# Altium PCB BreakOutBoard_Cyclone.PcbDoc (part 3 of 7)
Units mm, origin at the board's own origin, x right, y up, seen from the top; angles counter-clockwise.
Board outline 360 x 235.6 mm, 2 copper layers (Top Layer, Bottom Layer); 147 components, 203 nets, 2829 pads, 104 vias.
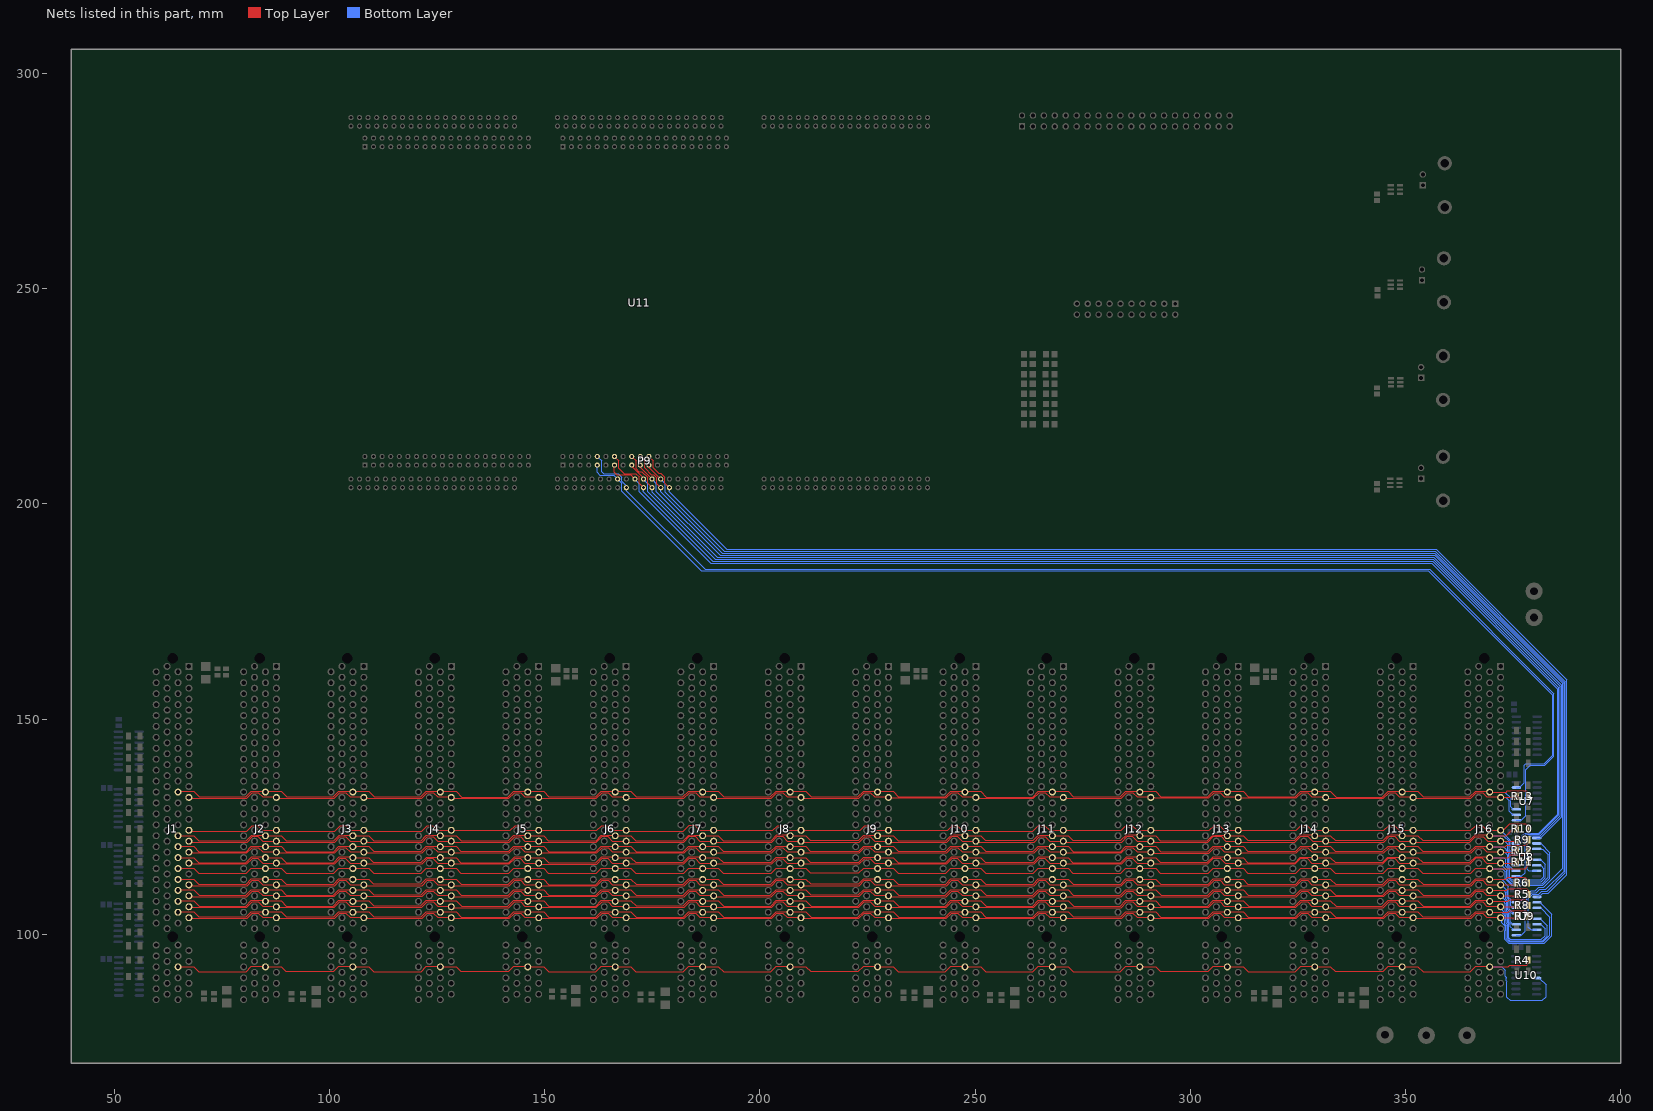
[diagram p3: the nets of this part, all layers, seen from the top]

## Via types
v1: diameter 0.6, hole 0.3, Top Layer to Bottom Layer, 53 vias
v2: diameter 1.27, hole 0.711, Top Layer to Bottom Layer, 36 vias
v3: diameter 5.5, hole 4.5, Top Layer to Bottom Layer, 15 vias

## Nets (pads, with @x,y where several pads share a name; then routed paths per layer and width w, separated by ;. In a path a pad name is that pad's centre, name@x,y a point inside that pad or via, vN(x,y) a via of type N, cw(c..) or ccw(c..) an arc to the next point about the centre after c; other vN are vias at no path point) (continued)
BUS3_P: J1.54 J2.54 J3.54 J4.54 J5.54 J6.54 J7.54 J8.54 J9.54 J10.54 J11.54 J12.54 J13.54 J14.54 J15.54 J16.54 R4.2 U10.5 | length 353.3
  Top Layer w0.15: J1.54@64.77,92.472 68.428,92.472 69.63,91.27 80.57,91.27 81.83,92.53 J2.54@85.032,92.53 ; J2.54@85.09,92.472 88.748,92.472 89.863,91.357 100.977,91.357 102.15,92.53 J3.54@105.352,92.53 ; J3.54@105.41,92.472 109.068,92.472 110.234,91.306 121.246,91.306 122.47,92.53 J4.54@125.672,92.53 ; J4.54@125.73,92.472 129.388,92.472 130.503,91.357 141.617,91.357 142.79,92.53 J5.54@145.992,92.53 ; J5.54@146.05,92.472 149.708,92.472 150.92,91.26 161.84,91.26 163.11,92.53 J6.54@166.312,92.53 ; J6.54@166.37,92.472 170.028,92.472 171.194,91.306 182.206,91.306 183.43,92.53 J7.54@186.632,92.53 ; J7.54@186.69,92.472 190.348,92.472 191.54,91.28 202.5,91.28 203.75,92.53 J8.54@206.952,92.53 ; J8.54@207.01,92.472 210.668,92.472 211.783,91.357 222.897,91.357 224.07,92.53 J9.54@227.272,92.53 ; J9.54@227.33,92.472 230.988,92.472 232.2,91.26 243.12,91.26 244.39,92.53 J10.54@247.592,92.53 ; J10.54@247.65,92.472 251.308,92.472 252.53,91.25 263.43,91.25 264.71,92.53 J11.54@267.912,92.53 ; J11.54@267.97,92.472 271.628,92.472 272.82,91.28 283.78,91.28 285.03,92.53 J12.54@288.232,92.53 ; J12.54@288.29,92.472 291.948,92.472 293.07,91.35 304.17,91.35 305.35,92.53 J13.54@308.552,92.53 ; J13.54@308.61,92.472 312.268,92.472 313.48,91.26 324.4,91.26 325.67,92.53 J14.54@328.872,92.53 ; J14.54@328.93,92.472 332.588,92.472 333.71,91.35 344.81,91.35 345.99,92.53 J15.54@349.192,92.53 ; J15.54@349.25,92.472 352.908,92.472 354.1,91.28 365.06,91.28 366.31,92.53 J16.54@369.512,92.53 ; J16.54@369.57,92.392 373.893,92.392 374.3,92.8 378.2,92.8 R4.2@378.6,93.2
  Bottom Layer w0.15: J16.54@369.57,92.392 372.408,92.392 373.145,91.655 373.145,90.255 373.377,90.023 373.377,89.817 373.43,89.764 373.43,89.15 373.6,88.98 373.6,85.35 374.35,84.6 381.85,84.6 382.7,85.45 382.7,88.21 U10.5@381.12,89.79
BUS4: P9.20 U9.9 U11.1B25 | length 304.4
  Top Layer w0.15: P9.20@172.2,211 173.2,210 173.2,208.34 174.78,206.76 175.28,206.76 176,206.04 176,204.7 U11.1B25@176.95,203.75
  Bottom Layer w0.15: U11.1B25@176.92,203.75 176.92,202.78 191.2,188.5 356.85,188.5 386.89,158.46 386.89,114.64 382.65,110.4 381.21,110.4 380.46,109.65 379.32,109.65 378.15,108.48 378.15,107.55 377.84,107.24 377.84,100.66 376.935,99.755 U9.9@375.7,99.755
BUS4_N: J1.43 J2.43 J3.43 J4.43 J5.43 J6.43 J7.43 J8.43 J9.43 J10.43 J11.43 J12.43 J13.43 J14.43 J15.43 J16.43 R5.1 U9.10 | length 328.9
  Top Layer w0.15: J1.43@67.506,108.806 67.562,108.75 80.779,108.75 82.032,110.003 83.436,110.003 84.437,109.002 J2.43@87.63,109.002 ; J2.43@87.826,108.806 87.852,108.78 101.129,108.78 102.352,110.003 103.756,110.003 104.757,109.002 J3.43@107.95,109.002 ; J3.43@108.146,108.806 121.475,108.806 122.672,110.003 124.076,110.003 125.077,109.002 J4.43@128.27,109.002 ; J4.43@128.466,108.806 128.532,108.74 141.729,108.74 142.992,110.003 144.396,110.003 145.397,109.002 J5.43@148.59,109.002 ; J5.43@148.786,108.806 148.812,108.78 162.089,108.78 163.312,110.003 164.716,110.003 165.717,109.002 J6.43@168.91,109.002 ; J6.43@169.106,108.806 169.172,108.74 182.369,108.74 183.632,110.003 185.036,110.003 186.037,109.002 J7.43@189.23,109.002 ; J7.43@189.426,108.806 189.512,108.72 202.669,108.72 203.952,110.003 205.356,110.003 206.357,109.002 J8.43@209.55,109.002 ; J8.43@209.746,108.806 223.075,108.806 224.272,110.003 225.676,110.003 226.677,109.002 J9.43@229.87,109.002 ; J9.43@230.066,108.806 230.122,108.75 243.339,108.75 244.592,110.003 245.996,110.003 246.997,109.002 J10.43@250.19,109.002 ; J10.43@250.386,108.806 250.452,108.74 263.649,108.74 264.912,110.003 266.316,110.003 267.317,109.002 J11.43@270.51,109.002 ; J11.43@270.706,108.806 270.762,108.75 283.979,108.75 285.232,110.003 286.636,110.003 287.637,109.002 J12.43@290.83,109.002 ; J12.43@291.026,108.806 291.122,108.71 304.259,108.71 305.552,110.003 306.956,110.003 307.957,109.002 J13.43@311.15,109.002 ; J13.43@311.346,108.806 311.422,108.73 324.599,108.73 325.872,110.003 327.276,110.003 328.277,109.002 J14.43@331.47,109.002 ; J14.43@331.666,108.806 331.702,108.77 344.959,108.77 346.192,110.003 347.596,110.003 348.597,109.002 J15.43@351.79,109.002 ; J15.43@351.986,108.806 352.042,108.75 365.259,108.75 366.512,110.003 367.916,110.003 368.917,109.002 J16.43@372.11,109.002 ; J16.43@372.11,108.902 375.303,108.902 R5.1@375.7,109.3
  Bottom Layer w0.15: J16.43@372.11,108.902 373.53,107.483 373.53,105.37 374.024,104.876 374.024,104.645 374.045,104.624 374.045,102.731 374.231,102.545 374.35,102.426 374.35,101.75 374.9,101.2 U9.10@374.9,101.1
BUS4_P: J1.42 J2.42 J3.42 J4.42 J5.42 J6.42 J7.42 J8.42 J9.42 J10.42 J11.42 J12.42 J13.42 J14.42 J15.42 J16.42 R5.2 U9.11 | length 340.7
  Top Layer w0.15: J1.42@64.77,110.272 68.428,110.272 69.65,109.05 80.55,109.05 81.83,110.33 J2.42@85.032,110.33 ; J2.42@85.09,110.272 88.748,110.272 89.94,109.08 100.9,109.08 102.15,110.33 J3.42@105.352,110.33 ; J3.42@105.41,110.272 109.068,110.272 110.203,109.137 121.277,109.137 122.47,110.33 J4.42@125.672,110.33 ; J4.42@125.73,110.272 129.388,110.272 130.62,109.04 141.5,109.04 142.79,110.33 J5.42@145.992,110.33 ; J5.42@146.05,110.272 149.708,110.272 150.9,109.08 161.86,109.08 163.11,110.33 J6.42@166.312,110.33 ; J6.42@166.37,110.272 170.028,110.272 171.26,109.04 182.14,109.04 183.43,110.33 J7.42@186.632,110.33 ; J7.42@186.69,110.272 190.348,110.272 191.6,109.02 202.44,109.02 203.75,110.33 J8.42@206.952,110.33 ; J8.42@207.01,110.272 210.668,110.272 211.803,109.137 222.877,109.137 224.07,110.33 J9.42@227.272,110.33 ; J9.42@227.33,110.272 230.988,110.272 232.21,109.05 243.11,109.05 244.39,110.33 J10.42@247.592,110.33 ; J10.42@247.65,110.272 251.308,110.272 252.54,109.04 263.42,109.04 264.71,110.33 J11.42@267.912,110.33 ; J11.42@267.97,110.272 271.628,110.272 272.85,109.05 283.75,109.05 285.03,110.33 J12.42@288.232,110.33 ; J12.42@288.29,110.272 291.948,110.272 293.21,109.01 304.03,109.01 305.35,110.33 J13.42@308.552,110.33 ; J13.42@308.61,110.272 312.268,110.272 313.51,109.03 324.37,109.03 325.67,110.33 J14.42@328.872,110.33 ; J14.42@328.93,110.272 332.588,110.272 333.79,109.07 344.73,109.07 345.99,110.33 J15.42@349.192,110.33 ; J15.42@349.25,110.272 352.908,110.272 354.13,109.05 365.03,109.05 366.31,110.33 J16.42@369.512,110.33 ; J16.42@369.57,110.172 373.572,110.172 373.9,110.5 378.2,110.5 R5.2@378.7,110
  Bottom Layer w0.15: J16.42@369.57,110.172 372.819,110.172 373.32,109.672 373.32,108.18 373.83,107.67 373.83,105.62 374.345,105.105 374.345,102.897 374.8,102.442 U9.11@374.8,102.4
BUS5: P9.19 U9.15 U11.1B24 | length 293.9
  Top Layer w0.15: P9.19@172.2,209 172.2,208.5 U11.1B24@174.95,205.75
  Bottom Layer w0.15: U11.1B24@174.94,205.72 175.95,204.71 175.95,202.84 190.74,188.05 356.8,188.05 386.59,158.26 386.59,115.28 382.16,110.85 381,110.85 380.2,110.05 379.2,110.05 376.525,107.375 U9.15@375.7,107.375
BUS5_N: J1.40 J2.40 J3.40 J4.40 J5.40 J6.40 J7.40 J8.40 J9.40 J10.40 J11.40 J12.40 J13.40 J14.40 J15.40 J16.40 R6.1 U9.14 | length 338.9
  Top Layer w0.15: J1.40@64.77,112.772 68.428,112.772 69.6,111.6 80.6,111.6 81.83,112.83 J2.40@85.032,112.83 ; J2.40@85.09,112.772 88.748,112.772 89.88,111.64 100.96,111.64 102.15,112.83 J3.40@105.352,112.83 ; J3.40@105.41,112.772 109.068,112.772 110.163,111.677 121.317,111.677 122.47,112.83 J4.40@125.672,112.83 ; J4.40@125.73,112.772 129.388,112.772 130.59,111.57 141.53,111.57 142.79,112.83 J5.40@145.992,112.83 ; J5.40@146.05,112.772 149.708,112.772 150.94,111.54 161.82,111.54 163.11,112.83 J6.40@166.312,112.83 ; J6.40@166.37,112.772 170.028,112.772 171.21,111.59 182.19,111.59 183.43,112.83 J7.40@186.632,112.83 ; J7.40@186.69,112.772 190.348,112.772 191.48,111.64 202.56,111.64 203.75,112.83 J8.40@206.952,112.83 ; J8.40@207.01,112.772 210.668,112.772 211.763,111.677 222.917,111.677 224.07,112.83 J9.40@227.272,112.83 ; J9.40@227.33,112.772 230.988,112.772 232.19,111.57 243.13,111.57 244.39,112.83 J10.40@247.592,112.83 ; J10.40@247.65,112.772 251.308,112.772 252.49,111.59 263.47,111.59 264.71,112.83 J11.40@267.912,112.83 ; J11.40@267.97,112.772 271.628,112.772 272.81,111.59 283.79,111.59 285.03,112.83 J12.40@288.232,112.83 ; J12.40@288.29,112.772 291.948,112.772 293.11,111.61 304.13,111.61 305.35,112.83 J13.40@308.552,112.83 ; J13.40@308.61,112.772 312.268,112.772 313.41,111.63 324.47,111.63 325.67,112.83 J14.40@328.872,112.83 ; J14.40@328.93,112.772 332.588,112.772 333.76,111.6 344.76,111.6 345.99,112.83 J15.40@349.192,112.83 ; J15.40@349.25,112.772 352.908,112.772 354.11,111.57 365.05,111.57 366.31,112.83 J16.40@369.512,112.83 ; J16.40@369.57,112.712 373.312,112.712 373.8,113.2 377.9,113.2 R6.1@378.7,112.4
  Bottom Layer w0.15: J16.40@369.57,112.712 372.398,112.712 373.94,111.17 373.94,108.56 374.44,108.06 374.44,106.56 U9.14@374.9,106.1
BUS5_P: J1.41 J2.41 J3.41 J4.41 J5.41 J6.41 J7.41 J8.41 J9.41 J10.41 J11.41 J12.41 J13.41 J14.41 J15.41 J16.41 R6.2 U9.13 | length 331.6
  Top Layer w0.15: J1.41@67.31,111.502 67.512,111.3 80.829,111.3 82.032,112.503 83.436,112.503 84.437,111.502 87.63,111.502 87.826,111.306 101.155,111.306 102.352,112.503 103.756,112.503 104.757,111.502 107.95,111.502 108.146,111.306 121.475,111.306 122.672,112.503 124.076,112.503 125.077,111.502 128.27,111.502 128.502,111.27 141.759,111.27 142.992,112.503 144.396,112.503 145.397,111.502 148.59,111.502 148.852,111.24 162.049,111.24 163.312,112.503 164.716,112.503 165.717,111.502 168.91,111.502 169.122,111.29 182.419,111.29 183.632,112.503 185.036,112.503 186.037,111.502 189.23,111.502 189.426,111.306 202.755,111.306 203.952,112.503 205.356,112.503 206.357,111.502 209.55,111.502 209.746,111.306 223.075,111.306 224.272,112.503 225.676,112.503 226.677,111.502 229.87,111.502 230.102,111.27 243.359,111.27 244.592,112.503 245.996,112.503 246.997,111.502 250.19,111.502 250.402,111.29 263.699,111.29 264.912,112.503 266.316,112.503 267.317,111.502 270.51,111.502 270.722,111.29 284.019,111.29 285.232,112.503 286.636,112.503 287.637,111.502 290.83,111.502 291.026,111.306 304.355,111.306 305.552,112.503 306.956,112.503 307.957,111.502 311.15,111.502 311.346,111.306 324.675,111.306 325.872,112.503 327.276,112.503 328.277,111.502 331.47,111.502 331.672,111.3 344.989,111.3 346.192,112.503 347.596,112.503 348.597,111.502 351.79,111.502 352.022,111.27 365.279,111.27 366.512,112.503 367.916,112.503 368.917,111.502 J16.41@372.11,111.502 ; J16.41@372.11,111.442 375.443,111.442 R6.2@375.7,111.7
  Bottom Layer w0.15: J16.41@372.11,111.442 372.324,111.442 373.64,110.127 373.64,108.406 374.14,107.906 374.14,105.838 375.1,104.878 U9.13@375.1,104.8
BUS6: P9.22 U9.1 U11.1B27 | length 291.6
  Top Layer w0.15: P9.22@174.2,211 175.2,210 175.2,208.41 176.51,207.1 177,207.1 177.9,206.2 177.9,204.8 U11.1B27@178.95,203.75
  Bottom Layer w0.15: U11.1B27@178.9,203.73 178.9,202.79 192.24,189.45 357.15,189.45 387.49,159.11 387.49,113.79 383.24,109.54 381.93,109.54 381.035,108.645 U9.1@380.5,108.645
BUS6_N: J1.47 J2.47 J3.47 J4.47 J5.47 J6.47 J7.47 J8.47 J9.47 J10.47 J11.47 J12.47 J13.47 J14.47 J15.47 J16.47 R7.1 U9.2 | length 346.2
  Top Layer w0.15: J1.47@67.506,103.706 67.522,103.69 80.819,103.69 82.032,104.903 83.436,104.903 84.437,103.902 J2.47@87.63,103.902 ; J2.47@87.826,103.706 101.155,103.706 102.352,104.903 103.756,104.903 104.757,103.902 J3.47@107.95,103.902 ; J3.47@108.146,103.706 121.475,103.706 122.672,104.903 124.076,104.903 125.077,103.902 J4.47@128.27,103.902 ; J4.47@128.466,103.706 128.502,103.67 141.759,103.67 142.992,104.903 144.396,104.903 145.397,103.902 J5.47@148.59,103.902 ; J5.47@148.786,103.706 148.832,103.66 162.069,103.66 163.312,104.903 164.716,104.903 165.717,103.902 J6.47@168.91,103.902 ; J6.47@169.106,103.706 169.152,103.66 182.389,103.66 183.632,104.903 185.036,104.903 186.037,103.902 J7.47@189.23,103.902 ; J7.47@189.426,103.706 189.472,103.66 202.709,103.66 203.952,104.903 205.356,104.903 206.357,103.902 J8.47@209.55,103.902 ; J8.47@209.746,103.706 209.812,103.64 223.009,103.64 224.272,104.903 225.676,104.903 226.677,103.902 J9.47@229.87,103.902 ; J9.47@230.066,103.706 230.122,103.65 243.339,103.65 244.592,104.903 245.996,104.903 246.997,103.902 J10.47@250.19,103.902 ; J10.47@250.386,103.706 250.442,103.65 263.659,103.65 264.912,104.903 266.316,104.903 267.317,103.902 J11.47@270.51,103.902 ; J11.47@270.706,103.706 270.712,103.7 284.029,103.7 285.232,104.903 286.636,104.903 287.637,103.902 J12.47@290.83,103.902 ; J12.47@291.026,103.706 291.062,103.67 304.319,103.67 305.552,104.903 306.956,104.903 307.957,103.902 J13.47@311.15,103.902 ; J13.47@311.346,103.706 311.412,103.64 324.609,103.64 325.872,104.903 327.276,104.903 328.277,103.902 J14.47@331.47,103.902 ; J14.47@331.666,103.706 331.702,103.67 344.959,103.67 346.192,104.903 347.596,104.903 348.597,103.902 J15.47@351.79,103.902 ; J15.47@351.986,103.706 365.315,103.706 366.512,104.903 367.916,104.903 368.917,103.902 J16.47@372.11,103.902 ; J16.47@372.11,103.822 375.523,103.822 R7.1@375.84,104.14 R7.1@375.9,104.2
  Bottom Layer w0.15: J16.47@372.11,103.822 372.11,103.1 372.35,102.86 372.35,102.65 373.145,101.855 373.145,100.854 373.111,100.819 373.111,98.815 373.123,98.803 373.123,98.777 373.977,97.923 382.273,97.923 384,99.65 384,104.62 U9.2@381.23,107.39
BUS6_P: J1.46 J2.46 J3.46 J4.46 J5.46 J6.46 J7.46 J8.46 J9.46 J10.46 J11.46 J12.46 J13.46 J14.46 J15.46 J16.46 R7.2 U9.3 | length 356.4
  Top Layer w0.15: J1.46@64.77,105.172 68.428,105.172 69.61,103.99 80.59,103.99 81.83,105.23 J2.46@85.032,105.23 ; J2.46@85.09,105.172 88.748,105.172 89.91,104.01 100.93,104.01 102.15,105.23 J3.46@105.352,105.23 ; J3.46@105.41,105.172 109.068,105.172 110.23,104.01 121.25,104.01 122.47,105.23 J4.46@125.672,105.23 ; J4.46@125.73,105.172 129.388,105.172 130.59,103.97 141.53,103.97 142.79,105.23 J5.46@145.992,105.23 ; J5.46@146.05,105.172 149.708,105.172 150.92,103.96 161.84,103.96 163.11,105.23 J6.46@166.312,105.23 ; J6.46@166.37,105.172 170.028,105.172 171.24,103.96 182.16,103.96 183.43,105.23 J7.46@186.632,105.23 ; J7.46@186.69,105.172 190.348,105.172 191.56,103.96 202.48,103.96 203.75,105.23 J8.46@206.952,105.23 ; J8.46@207.01,105.172 210.668,105.172 211.9,103.94 222.78,103.94 224.07,105.23 J9.46@227.272,105.23 ; J9.46@227.33,105.172 230.988,105.172 232.21,103.95 243.11,103.95 244.39,105.23 J10.46@247.592,105.23 ; J10.46@247.65,105.172 251.308,105.172 252.53,103.95 263.43,103.95 264.71,105.23 J11.46@267.912,105.23 ; J11.46@267.97,105.172 271.628,105.172 272.8,104 283.8,104 285.03,105.23 J12.46@288.232,105.23 ; J12.46@288.29,105.172 291.948,105.172 293.15,103.97 304.09,103.97 305.35,105.23 J13.46@308.552,105.23 ; J13.46@308.61,105.172 312.268,105.172 313.5,103.94 324.38,103.94 325.67,105.23 J14.46@328.872,105.23 ; J14.46@328.93,105.172 332.588,105.172 333.79,103.97 344.73,103.97 345.99,105.23 J15.46@349.192,105.23 ; J15.46@349.25,105.172 352.908,105.172 354.07,104.01 365.09,104.01 366.31,105.23 J16.46@369.512,105.23 ; J16.46@369.57,105.093 373.893,105.093 374.2,105.4 378,105.4 R7.2@378.6,104.8
  Bottom Layer w0.15: J16.46@369.57,105.093 372.408,105.093 373.124,104.376 373.124,104.272 373.145,104.251 373.145,103.394 373.093,103.342 373.093,102.41 373.1,102.403 373.1,102.35 373.445,102.005 373.445,98.905 374.127,98.223 382.073,98.223 383.55,99.7 383.55,103.95 U9.3@381.4,106.1
BUS7: P9.21 U9.7 U11.1B26 | length 299.6
  Top Layer w0.15: P9.21@174.2,209 174.2,208.5 U11.1B26@176.95,205.75
  Bottom Layer w0.15: U11.1B26@176.92,205.73 177.98,204.67 177.98,202.72 191.75,188.95 356.95,188.95 387.19,158.71 387.19,114.24 382.94,109.99 381.63,109.99 380.95,109.31 379.62,109.31 378.6,108.29 378.6,101.65 379.225,101.025 U9.7@380.5,101.025
BUS7_N: J1.44 J2.44 J3.44 J4.44 J5.44 J6.44 J7.44 J8.44 J9.44 J10.44 J11.44 J12.44 J13.44 J14.44 J15.44 J16.44 R8.1 U9.6 | length 353.6
  Top Layer w0.15: J1.44@64.77,107.772 68.428,107.772 69.7,106.5 80.5,106.5 81.83,107.83 J2.44@85.032,107.83 ; J2.44@85.09,107.772 88.748,107.772 89.98,106.54 100.86,106.54 102.15,107.83 J3.44@105.352,107.83 ; J3.44@105.41,107.772 109.068,107.772 110.26,106.58 121.22,106.58 122.47,107.83 J4.44@125.672,107.83 ; J4.44@125.73,107.772 129.388,107.772 130.67,106.49 141.45,106.49 142.79,107.83 J5.44@145.992,107.83 ; J5.44@146.05,107.772 149.708,107.772 150.97,106.51 161.79,106.51 163.11,107.83 J6.44@166.312,107.83 ; J6.44@166.37,107.772 170.028,107.772 171.24,106.56 182.16,106.56 183.43,107.83 J7.44@186.632,107.83 ; J7.44@186.69,107.772 190.348,107.772 191.58,106.54 202.46,106.54 203.75,107.83 J8.44@206.952,107.83 ; J8.44@207.01,107.772 210.668,107.772 211.92,106.52 222.76,106.52 224.07,107.83 J9.44@227.272,107.83 ; J9.44@227.33,107.772 230.988,107.772 232.24,106.52 243.08,106.52 244.39,107.83 J10.44@247.592,107.83 ; J10.44@247.65,107.772 251.308,107.772 252.56,106.52 263.4,106.52 264.71,107.83 J11.44@267.912,107.83 ; J11.44@267.97,107.772 271.628,107.772 272.92,106.48 283.68,106.48 285.03,107.83 J12.44@288.232,107.83 ; J12.44@288.29,107.772 291.948,107.772 293.18,106.54 304.06,106.54 305.35,107.83 J13.44@308.552,107.83 ; J13.44@308.61,107.772 312.268,107.772 313.54,106.5 324.34,106.5 325.67,107.83 J14.44@328.872,107.83 ; J14.44@328.93,107.772 332.588,107.772 333.89,106.47 344.63,106.47 345.99,107.83 J15.44@349.192,107.83 ; J15.44@349.25,107.772 352.908,107.772 354.18,106.5 364.98,106.5 366.31,107.83 J16.44@369.512,107.83 ; J16.44@369.57,107.632 373.733,107.632 374.1,108 377.9,108 R8.1@378.7,107.2
  Bottom Layer w0.15: J16.44@369.57,107.632 369.602,107.6 372.684,107.6 373.192,107.092 373.192,105.198 373.724,104.666 373.724,104.521 373.745,104.5 373.745,102.605 ; 373.746,102.606 374.05,102.301 374.05,99.149 374.376,98.823 381.623,98.823 382.45,99.65 382.45,101.25 U9.6@381.4,102.3
BUS7_P: J1.45 J2.45 J3.45 J4.45 J5.45 J6.45 J7.45 J8.45 J9.45 J10.45 J11.45 J12.45 J13.45 J14.45 J15.45 J16.45 R8.2 U9.5 | length 342.9
  Top Layer w0.15: J1.45@67.506,106.306 67.612,106.2 80.729,106.2 82.032,107.503 83.436,107.503 84.437,106.502 J2.45@87.63,106.502 ; J2.45@87.826,106.306 87.892,106.24 101.089,106.24 102.352,107.503 103.756,107.503 104.757,106.502 J3.45@107.95,106.502 ; J3.45@108.146,106.306 108.172,106.28 121.449,106.28 122.672,107.503 124.076,107.503 125.077,106.502 J4.45@128.27,106.502 ; J4.45@128.466,106.306 128.582,106.19 141.679,106.19 142.992,107.503 144.396,107.503 145.397,106.502 J5.45@148.59,106.502 ; J5.45@148.786,106.306 148.882,106.21 162.019,106.21 163.312,107.503 164.716,107.503 165.717,106.502 J6.45@168.91,106.502 ; J6.45@169.106,106.306 169.152,106.26 182.389,106.26 183.632,107.503 185.036,107.503 186.037,106.502 J7.45@189.23,106.502 ; J7.45@189.426,106.306 189.492,106.24 202.689,106.24 203.952,107.503 205.356,107.503 206.357,106.502 J8.45@209.55,106.502 ; J8.45@209.746,106.306 209.832,106.22 222.989,106.22 224.272,107.503 225.676,107.503 226.677,106.502 J9.45@229.87,106.502 ; J9.45@230.066,106.306 230.152,106.22 243.309,106.22 244.592,107.503 245.996,107.503 246.997,106.502 J10.45@250.19,106.502 ; J10.45@250.386,106.306 250.472,106.22 263.629,106.22 264.912,107.503 266.316,107.503 267.317,106.502 J11.45@270.51,106.502 ; J11.45@270.706,106.306 270.832,106.18 283.909,106.18 285.232,107.503 286.636,107.503 287.637,106.502 J12.45@290.83,106.502 ; J12.45@291.026,106.306 291.092,106.24 304.289,106.24 305.552,107.503 306.956,107.503 307.957,106.502 J13.45@311.15,106.502 ; J13.45@311.346,106.306 311.452,106.2 324.569,106.2 325.872,107.503 327.276,107.503 328.277,106.502 J14.45@331.47,106.502 ; J14.45@331.666,106.306 331.802,106.17 344.859,106.17 346.192,107.503 347.596,107.503 348.597,106.502 J15.45@351.79,106.502 ; J15.45@351.986,106.306 352.092,106.2 365.209,106.2 366.512,107.503 367.916,107.503 368.917,106.502 J16.45@372.11,106.502 ; J16.45@372.11,106.362 375.563,106.362 R8.2@375.8,106.6
  Bottom Layer w0.15: J16.45@372.11,106.362 372.11,105.848 373.424,104.534 373.424,104.396 373.445,104.375 373.445,103.27 373.393,103.218 373.393,102.534 373.4,102.527 373.4,102.5 373.75,102.15 373.75,99.024 374.251,98.523 381.923,98.523 382.95,99.55 382.95,101.95 U9.5@381.4,103.5
BUS8: P9.14 U8.9 U11.1B21 | length 294.7
  Top Layer w0.15: P9.14@166.2,211 167.2,210 167.2,208.28 168.44,207.04 171.16,207.04 171.9,206.3 171.9,204.8 U11.1B21@172.95,203.75
  Bottom Layer w0.15: U11.1B21@172.93,203.74 172.93,202.77 189.05,186.65 356.3,186.65 385.69,157.26 385.69,127.764 381.096,123.17 378.078,123.17 377.8,122.892 377.8,114.3 376.955,113.455 U8.9@375.7,113.455
BUS8_N: J1.34 J2.34 J3.34 J4.34 J5.34 J6.34 J7.34 J8.34 J9.34 J10.34 J11.34 J12.34 J13.34 J14.34 J15.34 J16.34 R9.1 U8.10 | length 337.8
  Top Layer w0.15: J1.34@64.77,120.372 68.428,120.372 69.63,119.17 80.57,119.17 81.83,120.43 J2.34@85.032,120.43 ; J2.34@85.09,120.372 88.748,120.372 89.92,119.2 100.92,119.2 102.15,120.43 J3.34@105.352,120.43 ; J3.34@105.41,120.372 109.068,120.372 110.2,119.24 121.28,119.24 122.47,120.43 J4.34@125.672,120.43 ; J4.34@125.73,120.372 129.388,120.372 130.52,119.24 141.6,119.24 142.79,120.43 J5.34@145.992,120.43 ; J5.34@146.05,120.372 149.708,120.372 150.89,119.19 161.87,119.19 163.11,120.43 J6.34@166.312,120.43 ; J6.34@166.37,120.372 170.028,120.372 171.23,119.17 182.17,119.17 183.43,120.43 J7.34@186.632,120.43 ; J7.34@186.69,120.372 190.348,120.372 191.48,119.24 202.56,119.24 203.75,120.43 J8.34@206.952,120.43 ; J8.34@207.01,120.372 210.668,120.372 211.743,119.297 222.937,119.297 224.07,120.43 J9.34@227.272,120.43 ; J9.34@227.33,120.372 230.988,120.372 232.12,119.24 243.2,119.24 244.39,120.43 J10.34@247.592,120.43 ; J10.34@247.65,120.372 251.308,120.372 252.45,119.23 263.51,119.23 264.71,120.43 J11.34@267.912,120.43 ; J11.34@267.97,120.372 271.628,120.372 272.81,119.19 283.79,119.19 285.03,120.43 J12.34@288.232,120.43 ; J12.34@288.29,120.372 291.948,120.372 293.16,119.16 304.08,119.16 305.35,120.43 J13.34@308.552,120.43 ; J13.34@308.61,120.372 312.268,120.372 313.41,119.23 324.47,119.23 325.67,120.43 J14.34@328.872,120.43 ; J14.34@328.93,120.372 332.588,120.372 333.73,119.23 344.79,119.23 345.99,120.43 J15.34@349.192,120.43 ; J15.34@349.25,120.372 352.908,120.372 354.07,119.21 365.09,119.21 366.31,120.43 J16.34@369.512,120.43 ; J16.34@369.57,120.332 373.232,120.332 373.6,120.7 378,120.7 R9.1@378.6,121.3
  Bottom Layer w0.15: J16.34@369.57,120.332 372.768,120.332 373.392,119.708 373.392,119.448 374.07,118.77 374.07,116 375,115.07 U8.10@375,114.8
BUS8_P: J1.33 J2.33 J3.33 J4.33 J5.33 J6.33 J7.33 J8.33 J9.33 J10.33 J11.33 J12.33 J13.33 J14.33 J15.33 J16.33 R9.2 U8.11 | length 327.7
  Top Layer w0.15: J1.33@67.506,121.406 80.806,121.406 82.1,122.7 83.339,122.7 84.437,121.602 J2.33@87.63,121.602 ; J2.33@87.826,121.406 101.155,121.406 102.409,122.66 103.699,122.66 104.757,121.602 J3.33@107.95,121.602 ; J3.33@108.146,121.406 121.475,121.406 122.699,122.63 122.754,122.63 122.761,122.638 123.619,122.638 123.626,122.63 124.049,122.63 125.077,121.602 J4.33@128.27,121.602 ; J4.33@128.466,121.406 128.472,121.4 141.789,121.4 143.019,122.63 143.074,122.63 143.081,122.638 143.939,122.638 143.946,122.63 144.369,122.63 145.397,121.602 J5.33@148.59,121.602 ; J5.33@148.786,121.406 162.01,121.406 163.304,122.7 164.619,122.7 165.717,121.602 J6.33@168.91,121.602 ; J6.33@169.106,121.406 182.289,121.406 183.583,122.7 184.939,122.7 186.037,121.602 J7.33@189.23,121.602 ; J7.33@189.426,121.406 202.755,121.406 204.049,122.7 205.259,122.7 206.357,121.602 J8.33@209.55,121.602 ; J8.33@209.746,121.406 223.075,121.406 224.339,122.67 225.609,122.67 226.677,121.602 J9.33@229.87,121.602 ; J9.33@230.066,121.406 243.395,121.406 244.689,122.7 245.899,122.7 246.997,121.602 J10.33@250.19,121.602 ; J10.33@250.386,121.406 263.715,121.406 264.939,122.63 264.994,122.63 265.001,122.638 265.859,122.638 265.866,122.63 266.289,122.63 267.317,121.602 J11.33@270.51,121.602 ; J11.33@270.706,121.406 284.035,121.406 285.329,122.7 286.539,122.7 287.637,121.602 J12.33@290.83,121.602 ; J12.33@291.026,121.406 304.066,121.406 305.37,122.71 307.15,122.71 308.257,121.602 J13.33@311.15,121.602 ; J13.33@311.346,121.406 324.326,121.406 325.62,122.7 327.36,122.7 328.457,121.602 J14.33@331.47,121.602 ; J14.33@331.666,121.406 344.995,121.406 346.289,122.7 347.499,122.7 348.597,121.602 J15.33@351.79,121.602 ; J15.33@351.986,121.406 364.956,121.406 366.2,122.65 368.1,122.65 369.147,121.602 J16.33@372.11,121.602 375.503,121.602 R9.2@375.9,122
  Bottom Layer w0.15: J16.33@372.11,121.602 373.028,121.602 373.775,120.855 373.775,119.525 374.37,118.93 374.37,116.53 U8.11@374.9,116
BUS9: P9.13 U8.15 U11.1B20 | length 285.2
  Top Layer w0.15: P9.13@166.2,209 166.2,207.3 166.76,206.74 169.96,206.74 U11.1B20@170.95,205.75
  Bottom Layer w0.15: U11.1B20@170.96,205.7 171.97,204.69 171.97,202.85 188.62,186.2 356.1,186.2 385.39,156.91 385.39,127.888 380.972,123.47 377.724,123.47 377.2,122.946 377.2,121.5 376.775,121.075 U8.15@375.7,121.075
BUS9_N: J1.31 J2.31 J3.31 J4.31 J5.31 J6.31 J7.31 J8.31 J9.31 J10.31 J11.31 J12.31 J13.31 J14.31 J15.31 J16.31 R10.1 U8.14 | length 332.4
  Top Layer w0.15: J1.31@67.31,124.103 67.472,123.94 80.764,123.94 82.074,125.25 83.289,125.25 84.437,124.103 87.63,124.103 87.782,123.95 101.199,123.95 102.499,125.25 103.7,125.25 104.847,124.103 107.95,124.103 108.122,123.93 121.394,123.93 122.714,125.25 123.929,125.25 125.077,124.103 141.992,124.103 143.139,125.25 144.249,125.25 145.397,124.103 162.135,124.103 163.283,125.25 164.569,125.25 165.717,124.103 168.91,124.103 169.106,123.906 181.18,123.906 181.181,123.908 182.039,123.908 182.04,123.906 182.186,123.906 183.58,125.3 184.839,125.3 186.037,124.103 202.952,124.103 204.099,125.25 205.209,125.25 206.357,124.103 223.272,124.103 224.399,125.23 225.549,125.23 226.677,124.103 243.592,124.103 244.739,125.25 245.849,125.25 246.997,124.103 250.19,124.103 250.386,123.906 262.46,123.906 262.461,123.908 263.34,123.908 264.633,125.2 266.219,125.2 267.317,124.103 283.935,124.103 285.033,125.2 286.539,125.2 287.637,124.103 304.435,124.103 305.583,125.25 306.809,125.25 307.957,124.103 324.635,124.103 325.733,125.2 327.179,125.2 328.277,124.103 344.985,124.103 346.083,125.2 347.499,125.2 348.597,124.103 365.235,124.103 366.333,125.2 367.819,125.2 368.917,124.103 J16.31@372.11,124.103 ; J16.31@372.11,124.142 372.743,124.142 374.3,125.7 378,125.7 R10.1@378.6,125.1
  Bottom Layer w0.15: J16.31@372.11,124.142 374.375,121.878 374.375,120.425 U8.14@374.9,119.9
BUS9_P: J1.32 J2.32 J3.32 J4.32 J5.32 J6.32 J7.32 J8.32 J9.32 J10.32 J11.32 J12.32 J13.32 J14.32 J15.32 J16.32 R10.2 U8.13 | length 334.6
  Top Layer w0.15: J1.32@64.77,122.872 68.428,122.872 69.55,121.75 80.65,121.75 81.9,123 84.962,123 J2.32@85.032,122.93 ; J2.32@85.09,122.872 88.748,122.872 89.87,121.75 100.97,121.75 102.197,122.977 105.305,122.977 J3.32@105.352,122.93 ; J3.32@105.41,122.872 109.068,122.872 110.22,121.72 121.26,121.72 122.47,122.93 122.63,122.93 122.637,122.938 123.743,122.938 123.75,122.93 J4.32@125.672,122.93 ; J4.32@125.73,122.872 129.388,122.872 130.56,121.7 141.56,121.7 142.79,122.93 142.95,122.93 142.957,122.938 144.063,122.938 144.07,122.93 J5.32@145.992,122.93 ; J5.32@146.05,122.872 149.708,122.872 150.82,121.76 161.94,121.76 163.18,123 166.242,123 J6.32@166.312,122.93 ; J6.32@166.37,122.872 170.028,122.872 171.18,121.72 182.178,121.72 183.458,123 186.562,123 J7.32@186.632,122.93 ; J7.32@186.69,122.872 190.348,122.872 191.46,121.76 202.58,121.76 203.9,123.08 206.802,123.08 J8.32@206.952,122.93 ; J8.32@207.01,122.872 210.668,122.872 211.73,121.81 222.95,121.81 224.117,122.977 227.225,122.977 J9.32@227.272,122.93 ; J9.32@227.33,122.872 230.988,122.872 232.14,121.72 243.18,121.72 244.55,123.09 247.432,123.09 J10.32@247.592,122.93 ; J10.32@247.65,122.872 251.308,122.872 252.39,121.79 263.57,121.79 264.71,122.93 264.87,122.93 264.877,122.938 265.983,122.938 265.99,122.93 J11.32@267.912,122.93 ; J11.32@267.97,122.872 271.628,122.872 272.73,121.77 283.87,121.77 285.19,123.09 288.072,123.09 J12.32@288.232,122.93 ; J12.32@288.29,122.872 291.948,122.872 293.06,121.76 303.996,121.76 305.246,123.01 308.472,123.01 J13.32@308.552,122.93 ; J13.32@308.61,122.872 312.268,122.872 313.37,121.77 324.266,121.77 325.606,123.11 325.959,123.11 325.961,123.107 326.819,123.107 326.821,123.11 328.692,123.11 J14.32@328.872,122.93 ; J14.32@328.93,122.872 332.588,122.872 333.67,121.79 344.85,121.79 346.15,123.09 349.032,123.09 J15.32@349.192,122.93 ; J15.32@349.25,122.872 352.908,122.872 354,121.78 364.906,121.78 366.216,123.09 369.352,123.09 J16.32@369.512,122.93 ; J16.32@369.57,122.872 373.472,122.872 375.1,124.5 R10.2@375.8,124.5
  Bottom Layer w0.15: J16.32@369.57,122.872 372.768,122.872 374.075,121.566 374.075,119.649 375.1,118.624 U8.13@375.1,118.6
BUS10: P9.18 U8.1 U11.1B23 | length 279
  Top Layer w0.15: P9.18@170.2,211 171.2,210 171.2,208.15 171.888,207.462 172.588,207.462 173.9,206.15 173.9,204.8 U11.1B23@174.95,203.75
  Bottom Layer w0.15: U11.1B23@174.94,203.75 174.94,202.75 190.09,187.6 356.55,187.6 386.29,157.86 386.29,127.29 381.345,122.345 U8.1@380.5,122.345
BUS10_N: J1.38 J2.38 J3.38 J4.38 J5.38 J6.38 J7.38 J8.38 J9.38 J10.38 J11.38 J12.38 J13.38 J14.38 J15.38 J16.38 R11.1 U8.2 | length 354
  Top Layer w0.15: J1.38@64.77,115.272 68.428,115.272 69.6,114.1 80.6,114.1 81.83,115.33 J2.38@85.032,115.33 ; J2.38@85.09,115.272 88.748,115.272 89.88,114.14 100.96,114.14 102.15,115.33 J3.38@105.352,115.33 ; J3.38@105.41,115.272 109.068,115.272 110.2,114.14 121.28,114.14 122.47,115.33 J4.38@125.672,115.33 ; J4.38@125.73,115.272 129.388,115.272 130.52,114.14 141.6,114.14 142.79,115.33 J5.38@145.992,115.33 ; J5.38@146.05,115.272 149.708,115.272 150.84,114.14 161.92,114.14 163.11,115.33 J6.38@166.312,115.33 ; J6.38@166.37,115.272 170.028,115.272 171.16,114.14 182.24,114.14 183.43,115.33 J7.38@186.632,115.33 ; J7.38@186.69,115.272 190.348,115.272 191.44,114.18 202.6,114.18 203.75,115.33 J8.38@206.952,115.33 ; J8.38@207.01,115.272 210.668,115.272 211.723,114.217 222.957,114.217 224.07,115.33 J9.38@227.272,115.33 ; J9.38@227.33,115.272 230.988,115.272 232.15,114.11 243.17,114.11 244.39,115.33 J10.38@247.592,115.33 ; J10.38@247.65,115.272 251.308,115.272 252.47,114.11 263.49,114.11 264.71,115.33 J11.38@267.912,115.33 ; J11.38@267.97,115.272 271.628,115.272 272.71,114.19 283.89,114.19 285.03,115.33 J12.38@288.232,115.33 ; J12.38@288.29,115.272 291.948,115.272 293.06,114.16 304.18,114.16 305.35,115.33 J13.38@308.552,115.33 ; J13.38@308.61,115.272 312.268,115.272 313.41,114.13 324.47,114.13 325.67,115.33 J14.38@328.872,115.33 ; J14.38@328.93,115.272 332.588,115.272 333.69,114.17 344.83,114.17 345.99,115.33 J15.38@349.192,115.33 ; J15.38@349.25,115.272 352.908,115.272 354.02,114.16 365.14,114.16 366.31,115.33 J16.38@369.512,115.33 ; J16.38@369.57,115.252 377.853,115.252 R11.1@378.7,116.1
  Bottom Layer w0.15: J16.38@369.57,115.252 372.537,115.252 373.25,114.54 373.25,112.84 374.69,111.4 381.95,111.4 383.55,113 383.55,118.95 U8.2@381.4,121.1
BUS10_P: J1.37 J2.37 J3.37 J4.37 J5.37 J6.37 J7.37 J8.37 J9.37 J10.37 J11.37 J12.37 J13.37 J14.37 J15.37 J16.37 R11.2 U8.3 | length 343.2
  Top Layer w0.15: J1.37@67.506,116.306 80.756,116.306 82.1,117.65 83.289,117.65 84.437,116.503 J2.37@87.63,116.503 ; J2.37@87.826,116.306 101.155,116.306 102.499,117.65 103.609,117.65 104.757,116.503 J3.37@107.95,116.503 ; J3.37@108.146,116.306 121.475,116.306 122.769,117.6 123.979,117.6 125.077,116.503 J4.37@128.27,116.503 ; J4.37@128.466,116.306 141.795,116.306 143.089,117.6 144.299,117.6 145.397,116.503 J5.37@148.59,116.503 ; J5.37@148.786,116.306 148.792,116.3 162.109,116.3 163.409,117.6 164.619,117.6 165.717,116.503 J6.37@168.91,116.503 ; J6.37@169.106,116.306 182.289,116.306 183.583,117.6 184.939,117.6 186.037,116.503 J7.37@189.23,116.503 ; J7.37@189.426,116.306 202.755,116.306 204.019,117.57 205.289,117.57 206.357,116.503 J8.37@209.55,116.503 ; J8.37@209.746,116.306 223.075,116.306 224.329,117.56 225.619,117.56 226.677,116.503 J9.37@229.87,116.503 ; J9.37@230.066,116.306 243.395,116.306 244.739,117.65 245.849,117.65 246.997,116.503 J10.37@250.19,116.503 ; J10.37@250.386,116.306 263.715,116.306 265.009,117.6 266.219,117.6 267.317,116.503 J11.37@270.51,116.503 ; J11.37@270.706,116.306 284.035,116.306 285.329,117.6 286.539,117.6 287.637,116.503 J12.37@290.83,116.503 ; J12.37@291.026,116.306 304.046,116.306 305.34,117.6 307.02,117.6 308.117,116.503 J13.37@311.15,116.503 ; J13.37@311.346,116.306 324.439,116.306 325.733,117.6 327.179,117.6 328.277,116.503 J14.37@331.47,116.503 ; J14.37@331.666,116.306 344.739,116.306 346.033,117.6 347.499,117.6 348.597,116.503 J15.37@351.79,116.503 ; J15.37@351.986,116.306 365.071,116.306 366.465,117.7 367.719,117.7 368.917,116.503 J16.37@372.11,116.503 ; J16.37@372.11,116.522 375.622,116.522 R11.2@375.9,116.8
  Bottom Layer w0.15: J16.37@372.11,116.522 372.11,116.28 373.58,114.81 373.58,112.934 374.764,111.75 381.75,111.75 383.2,113.2 383.2,118.4 381.9,119.7 U8.3@381.4,119.7
BUS11: P9.17 U8.7 U11.1B22 | length 287.9
  Top Layer w0.15: P9.17@170.2,209 170.2,208.7 172.95,205.95 U11.1B22@172.95,205.75
  Bottom Layer w0.15: U11.1B22@172.97,205.64 173.93,204.68 173.93,202.77 189.6,187.1 356.45,187.1 385.99,157.56 385.99,127.49 381.37,122.87 378.832,122.87 378.3,122.338 378.3,115.1 378.675,114.725 U8.7@380.5,114.725
BUS11_N: J1.35 J2.35 J3.35 J4.35 J5.35 J6.35 J7.35 J8.35 J9.35 J10.35 J11.35 J12.35 J13.35 J14.35 J15.35 J16.35 R12.1 U8.6 | length 338.3
  Top Layer w0.15: J1.35@67.506,118.906 67.542,118.87 80.799,118.87 82.032,120.103 83.436,120.103 84.437,119.102 J2.35@87.63,119.102 ; J2.35@87.826,118.906 87.832,118.9 101.149,118.9 102.352,120.103 103.756,120.103 104.757,119.102 J3.35@107.95,119.102 ; J3.35@108.146,118.906 121.475,118.906 122.672,120.103 124.076,120.103 125.077,119.102 J4.35@128.27,119.102 ; J4.35@128.466,118.906 141.795,118.906 142.992,120.103 144.396,120.103 145.397,119.102 J5.35@148.59,119.102 ; J5.35@148.786,118.906 148.802,118.89 162.099,118.89 163.312,120.103 164.716,120.103 165.717,119.102 J6.35@168.91,119.102 ; J6.35@169.106,118.906 169.142,118.87 182.399,118.87 183.632,120.103 185.036,120.103 186.037,119.102 J7.35@189.23,119.102 ; J7.35@189.426,118.906 202.755,118.906 203.952,120.103 205.356,120.103 206.357,119.102 J8.35@209.55,119.102 ; J8.35@209.746,118.906 223.075,118.906 224.272,120.103 225.676,120.103 226.677,119.102 J9.35@229.87,119.102 ; J9.35@230.066,118.906 243.395,118.906 244.592,120.103 245.996,120.103 246.997,119.102 J10.35@250.19,119.102 ; J10.35@250.386,118.906 263.715,118.906 264.912,120.103 266.316,120.103 267.317,119.102 J11.35@270.51,119.102 ; J11.35@270.706,118.906 270.722,118.89 284.019,118.89 285.232,120.103 286.636,120.103 287.637,119.102 J12.35@290.83,119.102 ; J12.35@291.026,118.906 291.072,118.86 304.309,118.86 305.552,120.103 306.956,120.103 307.957,119.102 J13.35@311.15,119.102 ; J13.35@311.346,118.906 324.675,118.906 325.872,120.103 327.276,120.103 328.277,119.102 J14.35@331.47,119.102 ; J14.35@331.666,118.906 344.995,118.906 346.192,120.103 347.596,120.103 348.597,119.102 J15.35@351.79,119.102 ; J15.35@351.986,118.906 365.315,118.906 366.512,120.103 367.916,120.103 368.917,119.102 J16.35@372.11,119.102 ; J16.35@372.11,119.062 375.662,119.062 R12.1@375.9,119.3
  Bottom Layer w0.15: J16.35@372.11,119.062 373.03,119.062 373.75,118.342 373.75,115.8 374.29,115.26 374.29,113.15 374.81,112.63 381.48,112.63 382.192,113.342 382.192,115.208 U8.6@381.4,116
BUS11_P: J1.36 J2.36 J3.36 J4.36 J5.36 J6.36 J7.36 J8.36 J9.36 J10.36 J11.36 J12.36 J13.36 J14.36 J15.36 J16.36 R12.2 U8.5 | length 352
  Top Layer w0.15: J1.36@64.77,117.773 68.428,117.773 69.58,116.62 80.56,116.62 81.89,117.95 84.912,117.95 J2.36@85.032,117.83 ; J2.36@85.09,117.773 88.748,117.773 89.87,116.65 100.97,116.65 102.27,117.95 105.232,117.95 J3.36@105.352,117.83 ; J3.36@105.41,117.773 109.068,117.773 110.17,116.67 121.31,116.67 122.54,117.9 125.602,117.9 J4.36@125.672,117.83 ; J4.36@125.73,117.773 129.388,117.773 130.51,116.65 141.61,116.65 142.98,118.02 145.802,118.02 J5.36@145.992,117.83 ; J5.36@146.05,117.773 149.708,117.773 150.88,116.6 161.88,116.6 163.23,117.95 166.192,117.95 J6.36@166.312,117.83 ; J6.36@166.37,117.773 170.028,117.773 171.14,116.66 182.218,116.66 183.508,117.95 186.512,117.95 J7.36@186.632,117.83 ; J7.36@186.69,117.773 190.348,117.773 191.44,116.68 202.6,116.68 203.79,117.87 206.912,117.87 J8.36@206.952,117.83 ; J8.36@207.01,117.773 210.668,117.773 211.683,116.757 222.997,116.757 224.1,117.86 227.242,117.86 J9.36@227.272,117.83 ; J9.36@227.33,117.773 230.988,117.773 232.13,116.63 243.19,116.63 244.55,117.99 247.432,117.99 J10.36@247.592,117.83 ; J10.36@247.65,117.773 251.308,117.773 252.37,116.71 263.59,116.71 264.834,117.954 267.788,117.954 J11.36@267.912,117.83 ; J11.36@267.97,117.773 271.628,117.773 272.75,116.65 283.85,116.65 285.19,117.99 288.072,117.99 J12.36@288.232,117.83 ; J12.36@288.29,117.773 291.948,117.773 293.04,116.68 303.996,116.68 305.346,118.03 305.639,118.03 305.641,118.027 306.499,118.027 306.501,118.03 308.352,118.03 J13.36@308.552,117.83 ; J13.36@308.61,117.773 312.268,117.773 313.39,116.65 324.358,116.65 325.608,117.9 328.802,117.9 J14.36@328.872,117.83 ; J14.36@328.93,117.773 332.588,117.773 333.67,116.69 344.698,116.69 345.908,117.9 349.122,117.9 J15.36@349.192,117.83 ; J15.36@349.25,117.773 352.908,117.773 354.02,116.66 365.001,116.66 366.341,118 369.342,118 J16.36@369.512,117.83 ; J16.36@369.57,117.792 373.893,117.792 374.53,118.43 378.33,118.43 R12.2@378.6,118.7
  Bottom Layer w0.15: J16.36@369.57,117.792 372.907,117.792 373.338,117.362 373.338,115.752 373.88,115.21 373.88,113.059 374.789,112.15 381.6,112.15 382.55,113.1 382.55,116.25 381.5,117.3 U8.5@381,117.3
BUS12: P9.10 U7.9 U11.1B17 | length 283.5
  Bottom Layer w0.15: P9.10@162.2,211 163.2,210 163.2,207.5 163.7,207 167.1,207 167.9,206.2 167.9,205.3 168.95,204.25 U11.1B17@168.95,203.75 ; U11.1B17@168.96,203.74 168.96,203.04 187.25,184.75 355.65,184.75 384.49,155.91 384.49,141.339 382.398,139.246 378.996,139.246 378,138.25 378,127.5 376.955,126.455 U7.9@375.8,126.455
BUS12_N: J1.25 J2.25 J3.25 J4.25 J5.25 J6.25 J7.25 J8.25 J9.25 J10.25 J11.25 J12.25 J13.25 J14.25 J15.25 J16.25 R13.1 U7.10 | length 326.5
  Top Layer w0.15: J1.25@67.506,131.706 67.622,131.59 80.719,131.59 82.032,132.903 83.436,132.903 84.437,131.902 J2.25@87.63,131.902 ; J2.25@87.826,131.706 87.912,131.62 101.069,131.62 102.352,132.903 103.756,132.903 104.757,131.902 J3.25@107.95,131.902 ; J3.25@108.146,131.706 108.232,131.62 121.389,131.62 122.672,132.903 124.076,132.903 125.077,131.902 J4.25@128.27,131.902 ; J4.25@128.466,131.706 128.602,131.57 141.659,131.57 142.992,132.903 144.396,132.903 145.397,131.902 J5.25@148.59,131.902 ; J5.25@148.786,131.706 148.882,131.61 162.019,131.61 163.312,132.903 164.716,132.903 165.717,131.902 J6.25@168.91,131.902 ; J6.25@169.106,131.706 169.202,131.61 182.339,131.61 183.632,132.903 185.036,132.903 186.037,131.902 J7.25@189.23,131.902 ; J7.25@189.426,131.706 189.512,131.62 202.669,131.62 203.952,132.903 205.356,132.903 206.357,131.902 J8.25@209.55,131.902 ; J8.25@209.746,131.706 209.872,131.58 222.949,131.58 224.272,132.903 225.676,132.903 226.677,131.902 J9.25@229.87,131.902 ; J9.25@230.066,131.706 230.112,131.66 243.349,131.66 244.592,132.903 245.996,132.903 246.997,131.902 J10.25@250.19,131.902 ; J10.25@250.386,131.706 250.532,131.56 263.569,131.56 264.912,132.903 266.316,132.903 267.317,131.902 J11.25@270.51,131.902 ; J11.25@270.706,131.706 270.772,131.64 283.969,131.64 285.232,132.903 286.636,132.903 287.637,131.902 J12.25@290.83,131.902 ; J12.25@291.026,131.706 291.072,131.66 304.309,131.66 305.552,132.903 306.956,132.903 307.957,131.902 J13.25@311.15,131.902 ; J13.25@311.346,131.706 311.392,131.66 324.629,131.66 325.872,132.903 327.276,132.903 328.277,131.902 J14.25@331.47,131.902 ; J14.25@331.666,131.706 331.832,131.54 344.829,131.54 346.192,132.903 347.596,132.903 348.597,131.902 J15.25@351.79,131.902 ; J15.25@351.986,131.706 352.142,131.55 365.159,131.55 366.512,132.903 367.916,132.903 368.917,131.902 J16.25@372.11,131.902 ; J16.25@372.11,131.762 375.263,131.762 R13.1@375.6,132.1
  Bottom Layer w0.15: J16.25@372.11,131.762 373.337,131.762 374.1,131 374.1,128.6 U7.10@375.1,127.6
BUS12_P: J1.24 J2.24 J3.24 J4.24 J5.24 J6.24 J7.24 J8.24 J9.24 J10.24 J11.24 J12.24 J13.24 J14.24 J15.24 J16.24 R13.2 U7.11 | length 337.7
  Top Layer w0.15: J1.24@64.77,133.172 68.428,133.172 69.71,131.89 80.49,131.89 81.83,133.23 J2.24@85.032,133.23 ; J2.24@85.09,133.172 88.748,133.172 90,131.92 100.84,131.92 102.15,133.23 J3.24@105.352,133.23 ; J3.24@105.41,133.172 109.068,133.172 110.32,131.92 121.16,131.92 122.47,133.23 J4.24@125.672,133.23 ; J4.24@125.73,133.172 129.388,133.172 130.69,131.87 141.43,131.87 142.79,133.23 J5.24@145.992,133.23 ; J5.24@146.05,133.172 149.708,133.172 150.97,131.91 161.79,131.91 163.11,133.23 J6.24@166.312,133.23 ; J6.24@166.37,133.172 170.028,133.172 171.29,131.91 182.11,131.91 183.43,133.23 J7.24@186.632,133.23 ; J7.24@186.69,133.172 190.348,133.172 191.6,131.92 202.44,131.92 203.75,133.23 J8.24@206.952,133.23 ; J8.24@207.01,133.172 210.668,133.172 211.96,131.88 222.72,131.88 224.07,133.23 J9.24@227.272,133.23 ; J9.24@227.33,133.172 230.988,133.172 232.2,131.96 243.12,131.96 244.39,133.23 J10.24@247.592,133.23 ; J10.24@247.65,133.172 251.308,133.172 252.62,131.86 263.34,131.86 264.71,133.23 J11.24@267.912,133.23 ; J11.24@267.97,133.172 271.628,133.172 272.86,131.94 283.74,131.94 285.03,133.23 J12.24@288.232,133.23 ; J12.24@288.29,133.172 291.948,133.172 293.16,131.96 304.08,131.96 305.35,133.23 J13.24@308.552,133.23 ; J13.24@308.61,133.172 312.268,133.172 313.48,131.96 324.4,131.96 325.67,133.23 J14.24@328.872,133.23 ; J14.24@328.93,133.172 332.588,133.172 333.91,131.85 344.61,131.85 345.99,133.23 J15.24@349.192,133.23 ; J15.24@349.25,133.172 352.908,133.172 354.2,131.88 364.96,131.88 366.31,133.23 J16.24@369.512,133.23 ; J16.24@369.57,133.032 373.432,133.032 373.7,133.3 378.1,133.3 R13.2@378.6,132.8
  Bottom Layer w0.15: J16.24@369.57,133.032 373.068,133.032 374.427,131.673 374.427,129.573 U7.11@375,129
BUS13: P9.9 U7.15 U11.1B16 | length 274.1
  Bottom Layer w0.15: P9.9@162.2,209 162.2,207.3 162.8,206.7 166,206.7 U11.1B16@166.95,205.75 167.91,204.79 167.91,202.89 186.4,184.4 355.3,184.4 384.19,155.51 384.19,141.54 382.3,139.65 377.979,139.65 377.6,139.271 377.6,135.2 376.475,134.075 U7.15@375.8,134.075